# Altium PCB 830-00011 Microhard Module Breakout Board.PcbDoc (continued)
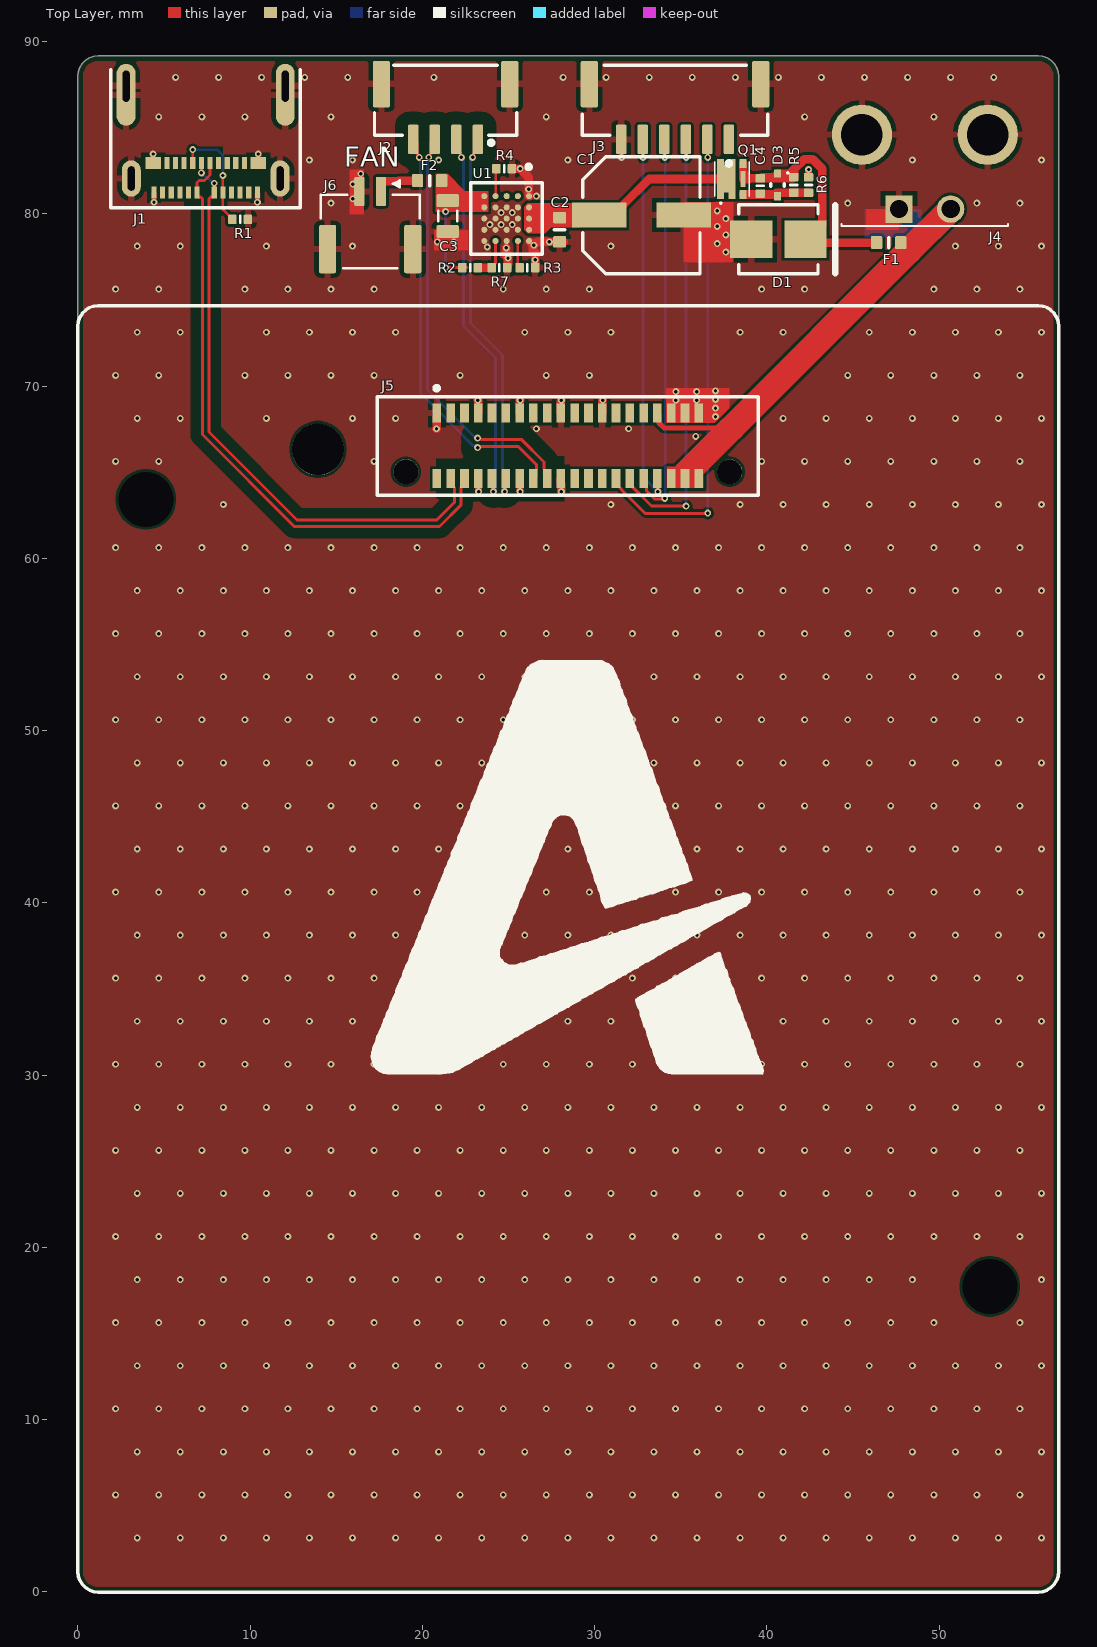
[diagram p0: Top Layer view]
## Footprints (in the part's own frame and the unit in brackets; to place one, negate y for a bottom-side part, rotate by r counter-clockwise, add the part's x,y. Pads: shape width x height; smd on the part's side, far side on the other; paste and mask are expansions set on the pad) (continued)
  rect 2.45x2.15 smd: A(-1.575,0) K(1.575,0)
  silkscreen extent -2.3,-2 3.3,2, body extent -2.5,-1.97 2.5,1.97, height 2.44
JST-BM02B-GHS-TBT_V [mm] "Connector, 2-Leads, Body 5.75x4.25mm, Pitch 1.25mm"
  rrect30% 0.6x1.7 smd: 1(-0.625,-1.675) 2(0.625,-1.675)
  rrect20% 1x2.8 smd: MP1(-2.475,1.675) MP2(2.475,1.675)
  silkscreen extent -2.88,-2.31 2.88,2.78, body extent -2.88,-2.18 2.87,2.77, height 4.21
JST-SM04B-GHS-TB [mm]
  rrect20% 0.6x1.7 smd: 1(-1.875,4.55) 2(-0.625,4.55) 3(0.625,4.55) 4(1.875,4.55)
  rrect20% 1x2.7 smd: MP1(-3.725,1.35) MP2(3.725,1.35)
  silkscreen extent -4.13,0.25 4.13,4.85, body extent -4.13,0.3 4.12,5.15, height 4.35
JST-SM06B-GHS-TB_V [mm]
  rrect20% 0.6x1.7 smd: 1(-3.125,1.6) 2(-1.875,1.6) 3(-0.625,1.6) 4(0.625,1.6) 5(1.875,1.6) 6(3.125,1.6)
  rrect20% 1x2.7 smd: MP1(-4.975,-1.6) MP2(4.975,-1.6)
  silkscreen extent -5.37,-2.7 5.38,3.12, body extent -5.38,-2.7 5.37,2.15, height 4.22
ONSC-SOD-523-2-502-01_V [mm] "SOD, 2-Leads, Body 1.2x0.8mm"
  rect 0.48x0.4 smd: 1(-0.66,0) 2(0.66,0)
  silkscreen extent -0.75,-0.4 0.07,0.65, body extent -0.6,-0.4 0.6,0.4, height 0.7
RESC0402(1005)_L [mm] "Chip Resistor, Body 1.0x0.5mm, IPC High Density"
  rrect25% 0.5x0.55 smd: 1(-0.45,0) 2(0.45,0)
  silkscreen extent 0,-0.2 0,0.2, body extent -0.5,-0.25 0.5,0.25, height 0.3
RESC0603(1608)_L [mm] "Chip Resistor, Body 1.6x0.8mm, IPC High Density"
  rrect25% 0.66x0.76 smd: 1(-0.7,0) 2(0.7,0)
  silkscreen extent 0,-0.3 0,0.3, body extent -0.8,-0.4 0.8,0.4, height 0.45
SHDRRA2W64P300_2X1_965X990H437 [mm] "Header, Right Angle Shrouded, 3.00 mm pitch; 0.64 mm lead width, 2 pins, 1 row, 2 pins per row, 9.65 mm L X 9.90 mm W X 4.37 mm H body"
  rect 1.59x1.59 / inner round 1.59 / far side rect 1.59x1.59 hole 1.06 paste-1.59: 1(-1.5,0)
  round 1.59 hole 1.06 paste-1.59: 2(1.5,0)
  round 3.5 hole 2.41: M1(-3.65,4.32) M2(3.65,4.32)
  silkscreen extent -4.83,-0.98 4.83,-0.86, body extent -4.8,-0.98 4.85,8.92, height 5.64

## Part data
C1: library part CMP-001-00118-2, "CAP ALUM 150UF 20% 35V SMD", Capacitance=150uF, Capacitor Type=Aluminium, Case/Package=6.3x7.7mm, Leakage Current=52.5uA, Manufacturer=Nichicon, Max Operating Temperature=105°C, Min Operating Temperature=-55°C, Negative Tolerance=20%, Rated DC Voltage (URdc)=35V, Ripple Current=300mA, Ripple Current (AC)=600mA, Manufacturer Part Number=UCM1V151MCL1GS, Mount="Surface Mount", Mounting Technology=SMD, Number of Pins=2, Pins=2, Polarity=Polarized, Positive Tolerance=20%, REACH SVHC=Yes, RoHS Compliant=Yes, Size Code=2626, Tan Delta=0.12, Terminal Finish=Tin, Termination=Flat, Tolerance=20%, Voltage Rating=35V
C2: library part CMP-001-00116-2, "CAP CER 1UF 50V X5R 0603", Capacitance=1uF, Capacitor Type=Ceramic, Case/Package=0603, Manufacturer="TDK Corporation", Manufacturer Part Number=C1608X5R1H105K080AB, Max Operating Temperature=85°C, Min Operating Temperature=-55°C, Negative Tolerance=10%, Rated DC Voltage (URdc)=50V, Temperature Characteristics Code=X5R, Height=0.8mm, Length=1.6mm, Mount="Surface Mount", Mounting Technology=SMD, Multilayer=Yes, Number of Pins=2, Packaging="Tape and Reel", Pins=2, Positive Tolerance=10%, REACH SVHC=Yes, RoHS Compliant=Yes, Size Code=0603, Terminal Finish=Nickel, Termination=Wraparound, Tolerance=10%, Voltage Rating=50V, Width=0.8mm
C3: library part CMP-001-00087-3, "CAP CER 10UF 16V X7R 0805", Capacitance=10uF, Capacitor Type=Ceramic, Case/Package=0805, Manufacturer="Taiyo Yuden", Manufacturer Part Number=EMK212BB7106MG-T, Max Operating Temperature=125°C, Min Operating Temperature=-55°C, Negative Tolerance=20%, Rated DC Voltage (URdc)=16V, Temperature Characteristics Code=X7R, Height=1.25mm, Length=2mm, Mount="Surface Mount", Mounting Technology=SMD, Multilayer=Yes, Number of Pins=2, Packaging="Tape and Reel", Pins=2, Positive Tolerance=20%, REACH SVHC=Yes, RoHS Compliant=Yes, Size Code=0805, Termination=Wraparound, Tolerance=20%, Voltage Rating=16V, Width=1.25mm
C4: library part CMP-001-00120-2, "CAP CER 1UF 35V X5R 0402", Capacitance=1uF, Capacitor Type=Ceramic, Case/Package=0402, Manufacturer="TDK Corporation", Manufacturer Part Number=C1005X5R1V105K050BC, Max Operating Temperature=85°C, Min Operating Temperature=-55°C, Negative Tolerance=10%, Rated DC Voltage (URdc)=35V, Temperature Characteristics Code=X5R, Height=0.5mm, Length=1mm, Mount="Surface Mount", Mounting Technology=SMD, Multilayer=Yes, Number of Pins=2, Packaging="Tape and Reel", Pins=2, Positive Tolerance=10%, REACH SVHC=Yes, RoHS Compliant=Yes, Size Code=0402, Terminal Finish=Nickel, Termination=Wraparound, Tolerance=10%, Voltage Rating=35V, Width=0.5mm
D1: library part CMP-004-00044-1, "TVS Diode Single Uni-Dir 30V 1.5KW 2-Pin SMB T/R", Case/Package="SMB (DO-214AA)", Forward Current=0A, Forward Voltage=30V, Manufacturer=Bourns, Max Operating Temperature=150°C, Max Surge Current=100A, Min Operating Temperature=-55°C, Peak Inverse Voltage=48.4V, Manufacturer Part Number=1.5SMBJ30A, Mounting Technology=SMD, Pins=2, RoHS Compliant=Yes
D3: library part CMP-004-00041-1, "Rectifier Diode, Schottky, 1 Phase, 1 Element, 0.2A, 30V V(RRM), Silicon", Case/Package=SOD-523, Forward Current=200mA, Forward Voltage=500mV, Manufacturer=onsemi, Max Operating Temperature=125°C, Max Surge Current=1A, Min Operating Temperature=-55°C, Peak Inverse Voltage=30V, Manufacturer Part Number=RB521S30T1G, Mounting Technology=SMD, Pins=2, RoHS Compliant=Yes
F1: library part CMP-00008-1, "Electric Fuse, Slow Blow, 0.4A, 35VAC, 50VDC, 50A (IR), Surface Mount, 0603", Case/Package=0603, Current Rating=400mA, DC Resistance=0.54, Manufacturer="Bourns Inc.", Max Operating Temperature=125°C, Max. Input Voltage=50V, Min Operating Temperature=-55°C, Min. Input Voltage=0V, Min. Output Current=0A, Overvoltage Protection=No, Rated Breaking Capacity=50A, Voltage Rating (AC)=35V, Blow Characteristic=SLOW, Body Breadth=0.82inch, Body Height=0.48mm, Body Length or Diameter=1.6mm, Circuit Protection Type="Electric Fuse", Function=Fuse, Fuse Size=0603, Joule-integral-Nom=0.004J, Manufacturer Part Number=SF-0603S040-2, Max. Output Current=400mA, Mount="Surface Mount", Mounting Technology=SMD, Packaging="Tape and Reel", Pins=2, REACH SVHC=Yes, Reverse current protection (OFF state)=No, Reverse current protection (ON state)=No, RoHS Compliant=Yes, Terminal Finish=Tin, Termination=Wraparound, Undervoltage Lockout=No, Voltage Rating=50V, Voltage Rating (DC)=50V
F2: library part CMP-00030-00002-3, "Electric Fuse, Very Fast Blow, 0.3A, 32VAC, 63VDC, 35A (IR), Surface Mount, 0603", Case/Package=0603, Current Rating=300mA, DC Resistance=0.54, Manufacturer="Bel Fuse Inc.", Manufacturer Part Number="C2Q 300", Max Operating Temperature=125°C, Max. Input Voltage=63V, Min Operating Temperature=-55°C, Min. Input Voltage=0V, Min. Output Current=0A, Overvoltage Protection=No, Rated Breaking Capacity=35A, Voltage Rating (AC)=32V, Blow Characteristic="VERY FAST", Body Breadth=0.82inch, Body Height=0.48mm, Body Length or Diameter=1.6mm, Circuit Protection Type="Electric Fuse", Function=Fuse, Fuse Size=0603, Joule-integral-Nom=0.0001J, Max. Output Current=300mA, Mount="Surface Mount", Mounting Technology=SMD, Packaging="Tape and Reel", Pins=2, REACH SVHC=Yes, Reverse current protection (OFF state)=No, Reverse current protection (ON state)=No, RoHS Compliant=Yes, Terminal Finish=Tin, Termination=Wraparound, Undervoltage Lockout=No, Voltage Rating=63V, Voltage Rating (DC)=63V
J1: library part CMP-053-000003-5, "USB Connector, 24 Contact(s), Female, Right Angle, Surface Mount Terminal, Locking, Receptacle", Current_Rating="0.25A, 1.25A, 5A", Manufacturer=Molex, Max Current Rating=5A, Max Operating Temperature=105°C, Mfr Part Description="CONN RCP USB3.1 TYPEC 24P SMD RA", Min Operating Temperature=-40°C, Temperature Range="-40C to +105C", Voltage Rating=30V, ComponentLink1Description=Datasheet, ComponentLink1URL=https://www.molex.com/pdm_docs/sd/2012670005_sd.pdf, ComponentLink2Description="Supplier Part Details", ComponentLink2URL=https://www.digikey.com/product-detail/en/molex/2012670005/WM17992CT-ND/8593492, Connector Type=USB, Created By=aklimaj, Created_Date="2019/07/23 10:45:55", Design Item ID=30530, Gender=Female, Manufacturer Part Number=2012670005, Mfr Part Number=2012670005, Mounting Technology=SMD/TH, Orientation="Right Angle", Part_Type=Connector, Pins=24, RoHS=Yes, RoHS Compliant=Yes, Rows=2, Source=skynode_v2_base.SCHLIB, Updated By=aklimaj, Updated_Date="2019/07/23 12:28:46"
J2: library part CMP-002-00087-2, "4 Positions Header Connector 1.25mm SMD Right Angle", Current Rating=1A, Insulation Color=Natural, Manufacturer=JST, Manufacturer Part Number=SM04B-GHS-TB(LF)(SN), Material Flammability Rating="UL94 V-0", Operating Temperature="-25°C ~ 85°C", SFL Part Number=10751, Voltage Rating=50V, Category="Connectors, Interconnects", ComponentLink1Description=http://www.jst-mfg.com/product/pdf/eng/eGH.pdf, ComponentLink1URL=http://www.jst-mfg.com/product/pdf/eng/eGH.pdf, Connector Type=Header, Contact Finish - Mating=Tin, Contact Finish - Post=Tin, Contact Material="Phosphor Bronze", Contact Shape=Rectangular, Contact Type="Outer Shroud Contact", Design Item ID="B2W - SM04B-GHS-TB", Fastening Type="Locking Ramp", Features="Solder Retention", Insulation Height="0.167\" (4.25mm)", Insulation Material="Polyamide (PA9T), Nylon 9T", Mated Stacking Heights=4.35mm, Max Current Rating=1A, Mounting Technology=SMD, Mounting Type="Surface Mount, Right Angle", Number of Positions=4, Number of Positions Loaded=All, Number of Rows=1, Orientation="Right Angle", Packaging="Cut Tape (CT)", Part Status=Active, Pins=4, Pitch - Mating="0.049\" (1.25mm)", RoHS="RoHS Compliant", RoHS Compliant=Yes, Rows=1, Shrouding="Shrouded - 4 Wall", Source="Microhard Carrier.SCHLIB", Style="Board to Cable/Wire", Termination=Solder
J3: library part CMP-002-00088-2, "JST GH Series Connector, Pitch 1.25 mm, 1 x 6 Position, Right Angle, Height 4.35 mm, -25 to 85 degC, RoHS, Tape and Reel", Color=Natural, Contact Resistance=50mR, Current Rating=1A, Housing Color=Beige, Manufacturer=JST, Manufacturer Part Number=SM06B-GHS-TB(LF)(SN), Max Operating Temperature=85°C, Min Operating Temperature=-25°C, SFL Part Number=10703, Voltage Rating=50V, ComponentLink1Description=http://www1.futureelectronics.com/doc/JST/JST%20SM06B-GHS-TB__LF__SN.pdf, ComponentLink1URL=http://www1.futureelectronics.com/doc/JST/JST%20SM06B-GHS-TB__LF__SN.pdf, Connector Type="Outer Shroud Contact", Contact Material=Bronze, Contact Plating=Copper,Tin, Depth=4.05mm, Design Item ID="B2W - SM06B-GHS-TB", Fastening Type=Ramp, Housing Material=Polyamide, Lead Free="Lead Free", Length=10.75mm, Max Current Rating=1A, Mount="Surface Mount", Mounting Technology=SMD, Number of Contacts=6, Number of Positions=6, Number of Rows=1, Orientation="Right Angle", Packaging="Tape and Reel", Pins=6, Pitch=1.25mm, RoHS Compliant=Yes, Rows=1, Source="Microhard Carrier.SCHLIB", Termination=Solder
J4: library part CMP-002-00072-2, "CONN MALE HEADER R/A 2POS 3MM", Manufacturer=Molex, Max Current Rating=8.5A, Max Operating Temperature=105°C, Min Operating Temperature=-40°C, Voltage Rating=600V, Connector Type=Power,Rectangular, Contact Gender=Male, Gender=Male, Manufacturer Part Number=0436500205, Mounting Technology=THT, Orientation="Right Angle", Pins=2, RoHS Compliant=Yes, Rows=1
J5: library part CMP-002-00076-1, "Board Stacking Connector, 40 Contact(s), 2 Row(s), Male, Straight, 0.8mm Pitch, Surface Mount Terminal, Black Insulator", Insulation Color=Black, Manufacturer=Samtec, Manufacturer Series=ERM8, Max Current Rating=2.2A, Max Operating Temperature=125°C, Min Operating Temperature=-55°C, Body Breadth=0.22inch, Body Length=0.866inch, Connector Type="BOARD STACKING CONNECTOR", Contact Finish - Mating="GOLD (10) OVER NICKEL (50)", Contact Finish - Termination="Matte Tin (Sn) - with Nickel (Ni) barrier", Contact Gender=Male, Contact Material=Bronze, Gender=Male, Insulation Material=Polymer, Manufacturer Part Number=ERM8-020-02.0-L-DV-P-TR, Mating Contact Pitch=0.031inch, Mount=Board, Mounting Style=STRAIGHT, Mounting Technology=SMD, Number of Contacts=40, Number of Rows Loaded=2, Orientation=Straight, Pins=40, Rated Current (Signal)=2.2A, RoHS Compliant=Yes, Rows=2, Termination=SMD/SMT
J6: library part CMP-002-00061-4, "Disconnectable Crimp Style Connector, Pitch 1.25 mm, 1 x 2 Position, Height 4.05 mm, -25 to 85 degC, RoHS, Tape and Reel", Case/Package="Disconnectable Crimp Style Connector, Pitch 1.25 mm, 1 x 2 Position, Height 4.05 mm", Manufacturer="JST Sales America Inc.", Max Current Rating=1A, Max Operating Temperature=85°C, Min Operating Temperature=-25°C, Voltage Rating=50V, Connector Type=Header,Shrouded, Gender=Female, Manufacturer Part Number=BM02B-GHS-TBT, Mounting Technology=SurfaceMount, Orientation=Straight, Pins=2, RoHS Compliant=Yes, Rows=1
Q1: library part CMP-013-00039-1, "MOSFET P-CH 40V 3.3A 6UDFN", Case Connection=DRAIN, Case/Package=U-DFN2020-6, Continuous Drain Current Id (Max)=3.3A, Drain Current-Max (Abs) (ID)=6A, Drain to Source Voltage Vds (Max)=40V, Drain-source On Resistance-Max=33mR, Manufacturer="Diodes Incorporated", Max Operating Temperature=150°C, Min Operating Temperature=-55°C, Operating Mode="ENHANCEMENT MODE", Package Body Material=Plastic, Peak Reflow Temperature (Cel)=260°C, Power=700mW, Power Dissipation-Max (Abs)=2.1W, Time @ Peak Reflow Temperature-Max (s)=40s, Drain Current-Max (ID)=3.3A, DS Breakdown Voltage-Min=40V, FET Technology="METAL-OXIDE SEMICONDUCTOR", Manufacturer Part Number=DMP4047LFDE-7, Moisture Sensitivity Level=1, Mounting Technology=SMD, Nominal Vgs=2.2V, Number of Pins=3, Pins=8, Polarity/Channel Type=P-CHANNEL, Rds On (Max)=50m, REACH SVHC=Yes, RoHS Compliant=Yes, Surface Mount=Yes, Terminal Finish=Nickel, Terminal Form="No Lead", Terminal Position=DUAL, Transistor Element Material=SILICON, Transistor Type=PMOS, Vgs (Max)=2.2V, Vgs(th) (Max) @ Id="2.2V @ 250uA"
R1: library part CMP-009-00232-2, "Fixed Resistor, Metal Glaze/thick Film, 0.0625W, 5100ohm, 50V, 5% +/-Tol, 100ppm/Cel, Surface Mount, 0402", Case/Package=0402, Manufacturer=YAGEO, Manufacturer Part Number=RC0402JR-075K1L, Max Operating Temperature=155°C, Min Operating Temperature=-55°C, Package Height=0.35mm, Package Length=1mm, Package Width=0.5mm, Power=63mW, Rated Power Dissipation (P)=62.5mW, Rated Temperature=70°C, Resistance=5.1kR, Temperature Coefficient=100ppm/°C, Tolerance=5%, Voltage Rating=50V, Construction=Chip, Mount="Surface Mount", Mounting Technology=SMD, Number of Pins=2, Packaging="Tape and Reel", Pins=2, REACH SVHC=Yes, RoHS Compliant=Yes, Size Code=0402, Technology="METAL GLAZE/THICK FILM", Terminal Finish=Nickel, Termination=Wraparound, Working Voltage=50V
R2: library part CMP-009-00235-2, "RES 7.5K OHM 1% 1/16W 0402", Case/Package=0402, Manufacturer=YAGEO, Manufacturer Part Number=RC0402FR-077K5L, Max Operating Temperature=155°C, Min Operating Temperature=-55°C, Package Height=0.35mm, Package Length=1mm, Package Width=0.5mm, Power=63mW, Rated Power Dissipation (P)=62.5mW, Rated Temperature=70°C, Resistance=7.5kR, Temperature Coefficient=100ppm/°C, Tolerance=1%, Voltage Rating=50V, Mount="Surface Mount", Mounting Technology=SMD, Number of Pins=2, Packaging="Tape and Reel", Pins=2, REACH SVHC=Yes, RoHS Compliant=Yes, Size Code=0402, Technology="METAL GLAZE/THICK FILM", Terminal Finish=Nickel, Termination=Wraparound, Working Voltage=50V
R3: library part CMP-009-00231-2, "RES 23.7K OHM 1% 1/16W 0402", Case/Package=0402, Manufacturer=YAGEO, Manufacturer Part Number=RC0402FR-0723K7L, Max Operating Temperature=155°C, Min Operating Temperature=-55°C, Package Height=0.35mm, Package Length=1mm, Package Width=0.5mm, Power=63mW, Rated Power Dissipation (P)=62.5mW, Rated Temperature=70°C, Resistance=23.7kR, Temperature Coefficient=100ppm/°C, Tolerance=1%, Voltage Rating=50V, Construction=Chip, Mount="Surface Mount", Mounting Technology=SMD, Number of Pins=2, Packaging="Tape and Reel", Pins=2, REACH SVHC=Yes, RoHS Compliant=Yes, Size Code=0402, Technology="METAL GLAZE/THICK FILM", Terminal Finish=Nickel, Termination=Wraparound, Working Voltage=50V
R4: library part CMP-009-00221-2, "Fixed Resistor, Metal Glaze/thick Film, 0.0625W, 47000ohm, 50V, 1% +/-Tol, 100ppm/Cel, Surface Mount, 0402", Case/Package=0402, Manufacturer=Yageo, Manufacturer Part Number=RC0402FR-0747KL, Max Operating Temperature=155°C, Min Operating Temperature=-55°C, Power=63mW, Temperature Coefficient=100ppm/°C, Tolerance=1%, Voltage Rating=50V, Mounting Technology=SMD, Pins=2, RoHS Compliant=Yes
R5: library part CMP-009-00234-3, "RES SMD 1.8M OHM 1% 1/16W 0402", Case/Package=0402, Manufacturer="Samsung Electro-Mechanics", Manufacturer Part Number=RC1005F185CS, Max Operating Temperature=155°C, Min Operating Temperature=-55°C, Package Height=0.35mm, Package Length=1mm, Package Width=0.5mm, Power=63mW, Rated Power Dissipation (P)=62.5mW, Rated Temperature=70°C, Resistance=1.8MR, Temperature Coefficient=100ppm/°C, Tolerance=1%, Voltage Rating=50V, Mount="Surface Mount", Mounting Technology=SMD, Number of Pins=2, Packaging="Tape and Reel", Pins=2, REACH SVHC=Yes, RoHS Compliant=Yes, Size Code=0402, Technology="METAL GLAZE/THICK FILM", Terminal Finish=Nickel, Termination=Wraparound, Working Voltage=50V
R6: library part CMP-009-00217-2, "Fixed Resistor, Metal Glaze/thick Film, 0.0625W, 1200000ohm, 50V, 1% +/-Tol, 100ppm/Cel, Surface Mount, 0402", Case/Package=0402, Manufacturer=Yageo, Manufacturer Part Number=RC0402FR-071M2L, Max Operating Temperature=155°C, Min Operating Temperature=-55°C, Power=63mW, Temperature Coefficient=100ppm/°C, Tolerance=1%, Voltage Rating=50V, Mounting Technology=SMD, Pins=2, RoHS Compliant=Yes
R7: library part CMP-009-00187-2, "RES SMD 17.4K OHM 1% 1/16W 0402", Case/Package=0402, Manufacturer="Vishay Dale", Manufacturer Part Number=CRCW040217K4FKED, Max Operating Temperature=155°C, Min Operating Temperature=-55°C, Package Height=0.35mm, Package Length=1mm, Package Width=0.5mm, Power=63mW, Rated Temperature=70°C, Resistance=17.4kR, Temperature Coefficient=100ppm/°C, Tolerance=1%, Voltage Rating=50V, Construction=Chip, Mount="Surface Mount", Mounting Technology=SMD, Number of Pins=2, Packaging="Tape and Reel", Pins=2, Rated Power Dissipation (P)=63mW, REACH SVHC=Yes, Reference Standard=AEC-Q200, RoHS Compliant=Yes, Size Code=0402, Technology="METAL GLAZE/THICK FILM", Terminal Finish=Nickel, Termination=Wraparound, Working Voltage=50V
U1: library part CMP-019-00055-2, "Switching Regulator, Current-mode, 2200kHz Switching Freq-Max, PBGA25", Case/Package="25-BGA (4x4)", Dropout Voltage=2V, Manufacturer="Analog Devices", Max Input Voltage=42V, Max Operating Temperature=125°C, Max Output Voltage=12V, Min Input Voltage=3.2V, Min Operating Temperature=-40°C, Min Output Voltage=800mV, Output Current=1.2A, Programmable Output Voltage=Yes, Manufacturer Part Number=LTM8074EY#PBF, Mounting Technology=SMD, Pins=25, RoHS Compliant=Yes, Topology="Synchronous Buck"

## Free pads (board coordinates)
  round 3 hole 3 unplated: 1(13.95,66.325)
  round 2.8 hole 3.2 unplated: 2(3.95,63.425) 3(52.95,17.725)

## Via types
v1: diameter 0.4, hole 0.2, Top Layer to Bottom Layer, tented both sides, 715 vias

## Nets (pads, with @x,y where several pads share a name; then routed paths per layer and width w, separated by ;. In a path a pad name is that pad's centre, name@x,y a point inside that pad or via, vN(x,y) a via of type N, cw(c..) or ccw(c..) an arc to the next point about the centre after c; other vN are vias at no path point)
5V: C3.2 F2.1 R2.2 U1.E1 U1.E2 | length 5.2
  Top Layer w0.167: v1(21.358,76.875) 22.6,76.875 ; v1(21.358,80.125) 21.358,80.648 C3.2
  Bottom Layer w0.167: v1(21.358,76.875) v1(21.358,80.125)
5V_FAN: F2.2 J6.1 | length 2.7
  Top Layer w0.5: J6.1 17.6,81.85 17.65,81.9 18.62,81.9 18.645,81.925 F2.2
ETH_RX_N: J2.3 J5.18 | length 24.3
  Top Layer w0.167: v1(20.375,83.275) 20.375,83.338 20.509,83.472 20.509,84.109 J2.3 ; v1(23.208,66.975) 23.253,66.93 23.4,66.93 23.422,66.909 25.748,66.909 27.059,65.598 27.059,65.189 27.084,65.164 27.084,64.791 J5.18
  Bottom Layer w0.167: v1(20.375,83.275) 20.33,83.23 20.33,83.083 20.309,83.061 20.309,69.766 23.002,67.072 23.047,67.072 23.145,66.975 v1(23.208,66.975)
ETH_RX_P: J2.4 J5.16 | length 24.3
  Top Layer w0.167: J2.4 19.691,84.109 19.691,83.472 19.825,83.338 v1(19.825,83.275) ; v1(23.208,66.425) 23.253,66.47 23.4,66.47 23.422,66.492 25.575,66.492 26.642,65.426 26.642,65.189 26.616,65.164 26.616,64.791 J5.16
  Bottom Layer w0.167: v1(19.825,83.275) 19.87,83.23 19.87,83.083 19.892,83.061 19.892,69.594 22.927,66.558 23.012,66.558 23.145,66.425 v1(23.208,66.425)
ETH_TX_N: J2.1 J5.12 | length 22.2
  Top Layer w0.167: v1(22.925,83.275) 22.97,83.32 22.97,83.52 23.225,83.775 J2.1 ; v1(24.775,63.875) 24.813,63.913 24.813,64.587 J5.12
  Bottom Layer w0.167: v1(22.925,83.275) 22.925,83.212 22.808,83.095 22.808,73.654 24.659,71.804 24.659,64.055 24.775,63.938 v1(24.775,63.875)
ETH_TX_P: J2.2 J5.10 | length 22.2
  Top Layer w0.167: J2.2 21.975,83.775 22.23,83.52 22.23,83.32 v1(22.275,83.275) ; J5.10 24.088,64.587 24.088,63.912 v1(24.125,63.875)
  Bottom Layer w0.167: v1(22.275,83.275) 22.275,83.212 22.391,83.095 22.391,73.481 24.242,71.631 24.242,64.055 24.125,63.938 v1(24.125,63.875)
GND: C1.2 C2.1 C3.1 D1.A J1.A1 J1.A12 J1.B1 J1.B12 J1.EXPB J1.EXPB1 J1.EXPB2 J1.EXPB3 J2.MP1 J2.MP2 J3.6 J3.MP1 J3.MP2 J4.1 J4.M1 J4.M2 J5.01 J5.07 J5.08 J5.13 J5.14 J5.19 J5.20 J5.25 J5.35 J5.37 J5.39 J6.2 J6.MP1 J6.MP2 R1.2 R3.1 R4.1 R6.1 R7.1 U1.A1 U1.A5 U1.B2 U1.B3 U1.B4 U1.C2 U1.C3 U1.C4 U1.C5 U1.D2 U1.D3 U1.D4 U1.E3 U1.E4 U1.E5 | length 13.6
  Top Layer w0.4: J5.08 23.275,64.6 v1(23.275,63.875) ; J5.14 25.675,64.6 v1(25.675,63.875) ; R6.1 v1(42.425,82.575)
  Top Layer w0.5: v1(20.825,67.525) 20.85,67.55 J5.01 ; v1(23.225,69.175) 23.25,69.15 J5.07 ; v1(24.875,78.025) 24.875,77.525 v1(24.975,77.425) 24.975,77.075 24.97,77.07 R7.1@24.97,76.875 ; R4.1 v1(25.675,82.625) ; J5.13 25.65,69.15 v1(25.675,69.175) ; v1@25.693,82.607 26.175,82.125 v1(26.175,81.425) 26.175,81.05 U1.A1 ; U1.A5@26.25,78.375 26.45,78.175 v1(26.475,78.175) ; R3.1 26.55,77.775 26.425,77.9 26.425,78.125 v1(26.475,78.175) ; J5.20 28.05,64.325 28.075,64.3 v1(28.075,63.875) ; J5.19 28.05,69.15 v1(28.075,69.175) ; C2.1@28.2,78.375 26.675,78.375 v1(26.475,78.175) ; J5.25 30.45,69.15 v1(30.475,69.175)
  other v1: 3.45,3.125 5.95,3.125 8.45,3.125 10.95,3.125 13.45,3.125 15.95,3.125 18.45,3.125 20.95,3.125 23.45,3.125 25.95,3.125 28.45,3.125 30.95,3.125 33.45,3.125 35.95,3.125 38.45,3.125 40.95,3.125 43.45,3.125 45.95,3.125 48.45,3.125 50.95,3.125 53.45,3.125 55.95,3.125 2.2,5.625 4.7,5.625 7.2,5.625 9.7,5.625 12.2,5.625 14.7,5.625 17.2,5.625 19.7,5.625 22.2,5.625 24.7,5.625 27.2,5.625 29.7,5.625 32.2,5.625 34.7,5.625 37.2,5.625 39.7,5.625 42.2,5.625 44.7,5.625 47.2,5.625 49.7,5.625 52.2,5.625 54.7,5.625 3.45,8.125 5.95,8.125 8.45,8.125 10.95,8.125 13.45,8.125 15.95,8.125 18.45,8.125 20.95,8.125 23.45,8.125 25.95,8.125 28.45,8.125 30.95,8.125 33.45,8.125 35.95,8.125 38.45,8.125 40.95,8.125 43.45,8.125 45.95,8.125 48.45,8.125 50.95,8.125 53.45,8.125 55.95,8.125 2.2,10.625 4.7,10.625 7.2,10.625 9.7,10.625 12.2,10.625 14.7,10.625 17.2,10.625 19.7,10.625 22.2,10.625 24.7,10.625 27.2,10.625 29.7,10.625 32.2,10.625 34.7,10.625 37.2,10.625 39.7,10.625 42.2,10.625 44.7,10.625 47.2,10.625 49.7,10.625 52.2,10.625 54.7,10.625 3.45,13.125 5.95,13.125 8.45,13.125 10.95,13.125 13.45,13.125 15.95,13.125 18.45,13.125 20.95,13.125 23.45,13.125 25.95,13.125 28.45,13.125 30.95,13.125 33.45,13.125 35.95,13.125 38.45,13.125 40.95,13.125 43.45,13.125 45.95,13.125 48.45,13.125 50.95,13.125 53.45,13.125 55.95,13.125 2.2,15.625 4.7,15.625 7.2,15.625 9.7,15.625 12.2,15.625 14.7,15.625 17.2,15.625 19.7,15.625 22.2,15.625 24.7,15.625 27.2,15.625 29.7,15.625 32.2,15.625 34.7,15.625 37.2,15.625 39.7,15.625 42.2,15.625 44.7,15.625 47.2,15.625 49.7,15.625 54.7,15.625 3.45,18.125 5.95,18.125 8.45,18.125 10.95,18.125 13.45,18.125 15.95,18.125 18.45,18.125 20.95,18.125 23.45,18.125 25.95,18.125 28.45,18.125 30.95,18.125 33.45,18.125 35.95,18.125 38.45,18.125 40.95,18.125 43.45,18.125 45.95,18.125 48.45,18.125 55.95,18.125 2.2,20.625 4.7,20.625 7.2,20.625 9.7,20.625 12.2,20.625 14.7,20.625 17.2,20.625 19.7,20.625 22.2,20.625 24.7,20.625 27.2,20.625 29.7,20.625 32.2,20.625 34.7,20.625 37.2,20.625 39.7,20.625 42.2,20.625 44.7,20.625 47.2,20.625 49.7,20.625 52.2,20.625 54.7,20.625 3.45,23.125 5.95,23.125 8.45,23.125 10.95,23.125 13.45,23.125 15.95,23.125 18.45,23.125 20.95,23.125 23.45,23.125 25.95,23.125 28.45,23.125 30.95,23.125 33.45,23.125 35.95,23.125 38.45,23.125 40.95,23.125 43.45,23.125 45.95,23.125 48.45,23.125 50.95,23.125 53.45,23.125 55.95,23.125 2.2,25.625 4.7,25.625 7.2,25.625 9.7,25.625 12.2,25.625 14.7,25.625 17.2,25.625 19.7,25.625 22.2,25.625 24.7,25.625 27.2,25.625 29.7,25.625 32.2,25.625 34.7,25.625 37.2,25.625 39.7,25.625 42.2,25.625 44.7,25.625 47.2,25.625 49.7,25.625 52.2,25.625 54.7,25.625 3.45,28.125 5.95,28.125 8.45,28.125 10.95,28.125 13.45,28.125 15.95,28.125 18.45,28.125 20.95,28.125 23.45,28.125 25.95,28.125 28.45,28.125 30.95,28.125 33.45,28.125 35.95,28.125 38.45,28.125 40.95,28.125 43.45,28.125 45.95,28.125 48.45,28.125 50.95,28.125 53.45,28.125 55.95,28.125 2.2,30.625 4.7,30.625 7.2,30.625 9.7,30.625 12.2,30.625 14.7,30.625 17.2,30.625 19.7,30.625 22.2,30.625 24.7,30.625 27.2,30.625 29.7,30.625 32.2,30.625 34.7,30.625 37.2,30.625 39.7,30.625 42.2,30.625 44.7,30.625 47.2,30.625 49.7,30.625 52.2,30.625 54.7,30.625 3.45,33.125 5.95,33.125 8.45,33.125 10.95,33.125 13.45,33.125 15.95,33.125 18.45,33.125 20.95,33.125 23.45,33.125 25.95,33.125 28.45,33.125 30.95,33.125 33.45,33.125 35.95,33.125 38.45,33.125 40.95,33.125 43.45,33.125 45.95,33.125 48.45,33.125 50.95,33.125 53.45,33.125 55.95,33.125 2.2,35.625 4.7,35.625 7.2,35.625 9.7,35.625 12.2,35.625 14.7,35.625 17.2,35.625 19.7,35.625 22.2,35.625 24.7,35.625 27.2,35.625 29.7,35.625 32.2,35.625 34.7,35.625 37.2,35.625 39.7,35.625 42.2,35.625 44.7,35.625 47.2,35.625 49.7,35.625 52.2,35.625 54.7,35.625 3.45,38.125 5.95,38.125 8.45,38.125 10.95,38.125 13.45,38.125 15.95,38.125 18.45,38.125 20.95,38.125 23.45,38.125 25.95,38.125 28.45,38.125 30.95,38.125 33.45,38.125 35.95,38.125 38.45,38.125 40.95,38.125 43.45,38.125 45.95,38.125 48.45,38.125 50.95,38.125 53.45,38.125 55.95,38.125 2.2,40.625 4.7,40.625 7.2,40.625 9.7,40.625 12.2,40.625 14.7,40.625 17.2,40.625 19.7,40.625 22.2,40.625 24.7,40.625 27.2,40.625 29.7,40.625 32.2,40.625 34.7,40.625 37.2,40.625 39.7,40.625 42.2,40.625 44.7,40.625 47.2,40.625 49.7,40.625 52.2,40.625 54.7,40.625 3.45,43.125 5.95,43.125 8.45,43.125 10.95,43.125 13.45,43.125 15.95,43.125 18.45,43.125 20.95,43.125 23.45,43.125 25.95,43.125 28.45,43.125 30.95,43.125 33.45,43.125 35.95,43.125 38.45,43.125 40.95,43.125 43.45,43.125 45.95,43.125 48.45,43.125 50.95,43.125 53.45,43.125 55.95,43.125 2.2,45.625 4.7,45.625 7.2,45.625 9.7,45.625 12.2,45.625 14.7,45.625 17.2,45.625 19.7,45.625 22.2,45.625 24.7,45.625 27.2,45.625 29.7,45.625 32.2,45.625 34.7,45.625 37.2,45.625 39.7,45.625 42.2,45.625 44.7,45.625 47.2,45.625 49.7,45.625 52.2,45.625 54.7,45.625 3.45,48.125 5.95,48.125 8.45,48.125 10.95,48.125 13.45,48.125 15.95,48.125 18.45,48.125 20.95,48.125 23.45,48.125 25.95,48.125 28.45,48.125 30.95,48.125 33.45,48.125 35.95,48.125 38.45,48.125 40.95,48.125 43.45,48.125 45.95,48.125 48.45,48.125 50.95,48.125 53.45,48.125 55.95,48.125 2.2,50.625 4.7,50.625 7.2,50.625 9.7,50.625 12.2,50.625 14.7,50.625 17.2,50.625 19.7,50.625 22.2,50.625 24.7,50.625 27.2,50.625 29.7,50.625 32.2,50.625 34.7,50.625 37.2,50.625 39.7,50.625 42.2,50.625 44.7,50.625 47.2,50.625 49.7,50.625 52.2,50.625 54.7,50.625 3.45,53.125 5.95,53.125 8.45,53.125 10.95,53.125 13.45,53.125 15.95,53.125 18.45,53.125 20.95,53.125 23.45,53.125 25.95,53.125 28.45,53.125 30.95,53.125 33.45,53.125 35.95,53.125 38.45,53.125 40.95,53.125 43.45,53.125 45.95,53.125 48.45,53.125 50.95,53.125 53.45,53.125 55.95,53.125 2.2,55.625 4.7,55.625 7.2,55.625 9.7,55.625 12.2,55.625 14.7,55.625 17.2,55.625 19.7,55.625 22.2,55.625 24.7,55.625 27.2,55.625 29.7,55.625 32.2,55.625 34.7,55.625 37.2,55.625 39.7,55.625 42.2,55.625 44.7,55.625 47.2,55.625 49.7,55.625 52.2,55.625 54.7,55.625 3.45,58.125 5.95,58.125 8.45,58.125 10.95,58.125 13.45,58.125 15.95,58.125 18.45,58.125 20.95,58.125 23.45,58.125 25.95,58.125 28.45,58.125 30.95,58.125 33.45,58.125 35.95,58.125 38.45,58.125 40.95,58.125 43.45,58.125 45.95,58.125 48.45,58.125 50.95,58.125 53.45,58.125 55.95,58.125 2.2,60.625 4.7,60.625 7.2,60.625 9.7,60.625 12.2,60.625 14.7,60.625 17.2,60.625 19.7,60.625 22.2,60.625 24.7,60.625 27.2,60.625 29.7,60.625 32.2,60.625 34.7,60.625 37.2,60.625 39.7,60.625 42.2,60.625 44.7,60.625 47.2,60.625 49.7,60.625 52.2,60.625 54.7,60.625 8.45,63.125 30.95,63.125 38.45,63.125 40.95,63.125 43.45,63.125 45.95,63.125 48.45,63.125 50.95,63.125 53.45,63.125 55.95,63.125 2.2,65.625 4.7,65.625 17.2,65.625 39.7,65.625 42.2,65.625 44.7,65.625 47.2,65.625 49.7,65.625 52.2,65.625 54.7,65.625 35.875,67.075 26.625,67.525 31.975,67.525 3.45,68.125 5.95,68.125 10.95,68.125 15.95,68.125 18.45,68.125 40.95,68.125 43.45,68.125 45.95,68.125 48.45,68.125 50.95,68.125 53.45,68.125 55.95,68.125 37.025,68.225 37.025,68.725 34.725,69.175 35.925,69.175 37.025,69.225 34.725,69.675 35.925,69.675 37.025,69.725 2.2,70.625 4.7,70.625 9.7,70.625 12.2,70.625 14.7,70.625 17.2,70.625 22.2,70.625 27.2,70.625 29.7,70.625 44.7,70.625 47.2,70.625 49.7,70.625 52.2,70.625 54.7,70.625 3.45,73.125 5.95,73.125 10.95,73.125 13.45,73.125 15.95,73.125 18.45,73.125 25.95,73.125 28.45,73.125 30.95,73.125 38.45,73.125 40.95,73.125 45.95,73.125 48.45,73.125 50.95,73.125 53.45,73.125 55.95,73.125 2.2,75.625 4.7,75.625 9.7,75.625 12.2,75.625 14.7,75.625 17.2,75.625 24.7,75.625 27.2,75.625 29.7,75.625 39.7,75.625 42.2,75.625 49.7,75.625 52.2,75.625 54.7,75.625 26.55,77.325 37.625,77.775 23.775,78.075 3.45,78.125 5.95,78.125 10.95,78.125 15.95,78.125 30.95,78.125 50.95,78.125 53.45,78.125 55.95,78.125 37.125,78.275 20.875,78.375 21.825,78.375 27.375,78.375 37.625,78.775 37.125,79.275 23.925,79.375 24.575,79.375 25.225,79.375 37.625,79.725 24.575,80.075 25.225,80.075 37.125,80.175 14.7,80.625 44.7,80.625 52.2,80.625 54.7,80.625 4.425,80.675 10.425,80.675 15.975,80.875 26.625,81.025 15.975,81.725 16.425,82.325 13.45,83.125 15.95,83.125 20.95,83.125 28.45,83.125 48.45,83.125 55.95,83.125 31.575,83.275 4.375,83.475 10.475,83.475 4.7,85.625 7.2,85.625 9.7,85.625 14.7,85.625 27.2,85.625 42.2,85.625 49.7,85.625 5.675,87.925 8.175,87.925 10.675,87.925 13.175,87.925 15.675,87.925 20.675,87.925 28.175,87.925 30.675,87.925 33.175,87.925 35.675,87.925 38.175,87.925 40.675,87.925 43.175,87.925 45.675,87.925 48.175,87.925 50.675,87.925 53.175,87.925
NetC1_1: C1.1 C2.2 Q1.D U1.A2 U1.A3 U1.A4 | length 8.3
  Top Layer w0.5: C1.1 31.125,79.925 31.6,80.4 31.6,80.45 33.175,82.025 Q1.D@37.65,82.025
NetC4_1: C4.1 D3.2 Q1.G R5.1 R6.2 | length 3.8
  Top Layer w0.5: Q1.G 40.462,81.125 40.563,81.225 R5.1 R6.2
NetC4_2: C4.2 D1.K D3.1 F1.2 Q1.S R5.2 | length 18.6
  Top Layer w0.5: Q1.S@38.625,82.925 Q1.S@38.625,82.425 ; 38.975,82.025 38.625,82.025 Q1.S@38.625,82.425 ; 40.835,82.125 R5.2@41.55,82.125 ; F1.2 42.45,78.325 D1.K 42.4,78.525 43.225,79.35 43.225,79.643 43.225,82.624 42.674,83.175 42.176,83.175 41.6,82.599 ; Q1.S@38.625,82.425 38.975,82.075 C4.2 C4.2@39.65,82.075 ; C4.2@39.65,82.075 41.5,82.075 R5.2@41.55,82.125 ; C4.2@39.65,82.075 39.7,82.125 40.415,82.125 D3.1 41.336,82.335 41.6,82.599 ; R5.2@41.55,82.125 R5.2 41.6,82.125 41.6,82.599
NetJ1_A5: J1.A5 J1.B5 R1.1 | length 6.6
  Top Layer w0.15: J1.B5 v1(6.675,83.725) ; v1(8.425,82.225) J1.A5 8.425,80.25 8.975,79.7 R1.1
  Bottom Layer w0.15: v1(6.675,83.725) 8.075,83.725 8.425,83.375 v1(8.425,82.225)
NetR2_1: R2.1 R7.2 U1.D5 | length 2.2
  Top Layer w0.175: R7.2 24.025,76.9 24.25,77.125 U1.D5
  Top Layer w0.5: R2.1@23.447,76.874 R7.2@24.024,76.874
NetR3_2: R3.2 U1.B5 | length 1.6
  Top Layer w0.15: U1.B5 25.55,76.975 R3.2
NetR4_2: R4.2 U1.D1 | length 1.6
  Top Layer w0.15: U1.D1 24.275,81.05 24.275,82.6 R4.2
PICO_CTS: J3.5 J5.34 | length 21.6
  Top Layer w0.167: J3.5 32.812,84.313 32.812,83.287 v1(32.825,83.275) ; J5.34 33.663,64.612 33.663,63.887 v1(33.675,63.875)
  Bottom Layer w0.167: v1(32.825,83.275) 32.825,64.725 v1(33.675,63.875)
PICO_RTS: J3.4 J5.32 | length 22.9
  Top Layer w0.167: J5.32 33.016,64.458 33.016,63.92 33.495,63.442 34.042,63.442 v1(34.075,63.475) ; J3.4 34.062,84.313 34.062,83.287 v1(34.075,83.275)
  Bottom Layer w0.167: v1(34.075,63.475) 34.108,63.509 34.108,83.241 v1(34.075,83.275)
PICO_RXD: J3.2 J5.28 | length 28.1
  Top Layer w0.167: J5.28 31.25,64.325 31.567,64.008 31.567,63.978 32.947,62.598 36.548,62.598 v1(36.575,62.625) ; J3.2 36.562,84.312 36.562,83.288 v1(36.575,83.275)
  Bottom Layer w0.167: v1(36.575,62.625) v1(36.575,83.275)
PICO_TXD: J3.3 J5.30 | length 25.4
  Top Layer w0.167: J5.30 32.217,64.458 32.217,64.128 33.313,63.031 v1(35.314,63.031) ; J3.3 35.312,84.312 35.312,83.288 v1(35.325,83.275)
  Bottom Layer w0.167: v1(35.314,63.031) 35.32,63.037 35.32,83.27 v1(35.325,83.275)
USB_D_N: J1.A7 J1.B7 J5.06 | length 35.8
  Top Layer w0.175: J1.B7 7.675,82.256 7.356,81.938 7.038,81.938 6.925,81.825 6.925,81.04 6.987,80.977 7.135,80.977 7.238,80.875 7.238,67.182 12.57,61.85 21,61.85 22.238,63.088 22.238,64.112 22.45,64.325 J5.06
USB_D_P: J1.A6 J1.B6 J5.04 | length 34.5
  Top Layer w0.175: v1(7.175,82.375) J1.B6 ; v1(7.925,81.775) J1.A6 7.925,81.04 7.863,80.977 7.715,80.977 7.613,80.875 7.613,67.338 12.725,62.225 20.845,62.225 21.863,63.243 21.863,64.112 21.65,64.325 J5.04
  Bottom Layer w0.175: v1(7.175,82.375) 7.502,82.048 7.591,82.048 7.864,81.775 v1(7.925,81.775)
VIN: F1.1 J4.2 J5.33 J5.36 J5.38 J5.40 | length 26.8
  Top Layer w0.3: J5.33 33.75,68.325 33.75,67.85 34.025,67.575 37.975,67.575 38.025,67.625
  Top Layer w1.5: J5.38@35.25,64.85 35.538,65.138 37.975,67.575 ; 38.025,67.625 48.25,77.85 J4.2 J4.2@50.651,80.275
pads on no net: J1. J1.A2 J1.A3 J1.A4 J1.A8 J1.A9 J1.A10 J1.A11 J1.B2 J1.B3 J1.B4 J1.B8 J1.B9 J1.B10 J1.B11 J3.1 J5. J5.02 J5.03 J5.05 J5.09 J5.11 J5.15 J5.17 J5.21 J5.22 J5.23 J5.24 J5.26 J5.27 J5.29 J5.31 U1.B1 U1.C1

## Polygon pours and split planes (outlines as drawn)
GND on Bottom Layer "BOTTOM_GND" (solid, remove dead copper, pour order 2): 0,-0.025 56.95,-0.025 56.95,89.175 0,89.175
GND on Top Layer "TOP_GND" (solid, remove dead copper, pour order 1): 0,-0.025 56.95,-0.025 56.95,89.175 0,89.175
GND on Int2 (GND) (split plane): 55.95,88.849 56.139,88.783 56.309,88.676 56.451,88.534 56.558,88.364 56.624,88.175 56.649,87.958 56.649,1.192 56.624,0.975 56.558,0.786 56.451,0.616 56.309,0.474 56.139,0.367 55.95,0.301 55.733,0.276 1.217,0.276 1,0.301 0.811,0.367 0.641,0.474 0.499,0.616 0.392,0.786 0.326,0.975 0.301,1.192 0.301,87.958 0.326,88.174 0.392,88.364 0.499,88.534 0.641,88.676 0.811,88.783 1,88.849 1.217,88.874 55.733,88.874
GND on Int1 (GND) (split plane): 55.95,88.849 56.139,88.783 56.309,88.676 56.451,88.534 56.558,88.364 56.624,88.175 56.649,87.958 56.649,1.192 56.624,0.975 56.558,0.786 56.451,0.616 56.309,0.474 56.139,0.367 55.95,0.301 55.733,0.276 1.217,0.276 1,0.301 0.811,0.367 0.641,0.474 0.499,0.616 0.392,0.786 0.326,0.975 0.301,1.192 0.301,87.958 0.326,88.174 0.392,88.364 0.499,88.534 0.641,88.676 0.811,88.783 1,88.849 1.217,88.874 55.733,88.874

## Other copper
Top Layer:
  rectangle net GND: 45.775,79.075 47.675,80.275
  rectangle net GND: 15.775,79.975 16.625,82.575
  rectangle net GND: 35.175,77.175 38.075,80.675
  rectangle net VIN: 34.175,64.075 36.325,65.325
  rectangle net GND: 20.675,77.875 22.675,79.075
  region net 5V: 20.775,82.325 21.475,82.325 22.475,81.325 23.825,81.325 23.825,80.125 20.775,80.125
  region net NetC1_1: 25.925,80.425 25.925,79.075 26.125,78.875 27.125,78.875 27.475,79.225 29.125,79.225 29.125,80.625 26.125,80.625
  region net GND: 34.175,67.875 36.975,67.875 37.825,68.725 37.825,69.875 34.175,69.875
Bottom Layer:
  rectangle net GND: 45.675,78.625 49.025,80.275

## Silkscreen, mask and mechanical layers (free items; w line width, h text height)
Top Overlay:
  drawing of 34 lines, arcs and shapes, not listed
  text "FAN" at 15.475,82.325 h2
Bottom Overlay:
  drawing of 1671 lines, arcs and shapes, not listed
  text "USB-C" at 4.675,88.675 h2 r180
  text "ETH" at 19.675,88.675 h2 r180
  text "UART" at 32.675,88.675 h2 r180
  text "POWER" at 46.675,88.675 h2 r180
  text "CONFIG BTN" at 11.95,65.75 h2
  text "© 2022 Auterion" at 41.425,46.475 h2
  text "Microhard Module Breakout Board" at 41.525,44.825 h2
  text "830-00011 v1.0.0" at 41.525,43.175 h2
Outline:
  the board outline again, w0.2

## Dimensions
1.2,-0.025 to 1.2,89.175 on Dimensions
0,1.175 to 56.95,1.175 on Dimensions

## Text inside footprints (layer, text, board x,y; h text height)
J1: Top Assembly "PCB Edge 0.18mm / back from connector" at 9.457,89.106 h0.5 r180